# Allegro board 8880F5-0823_2_1.brd (continued)
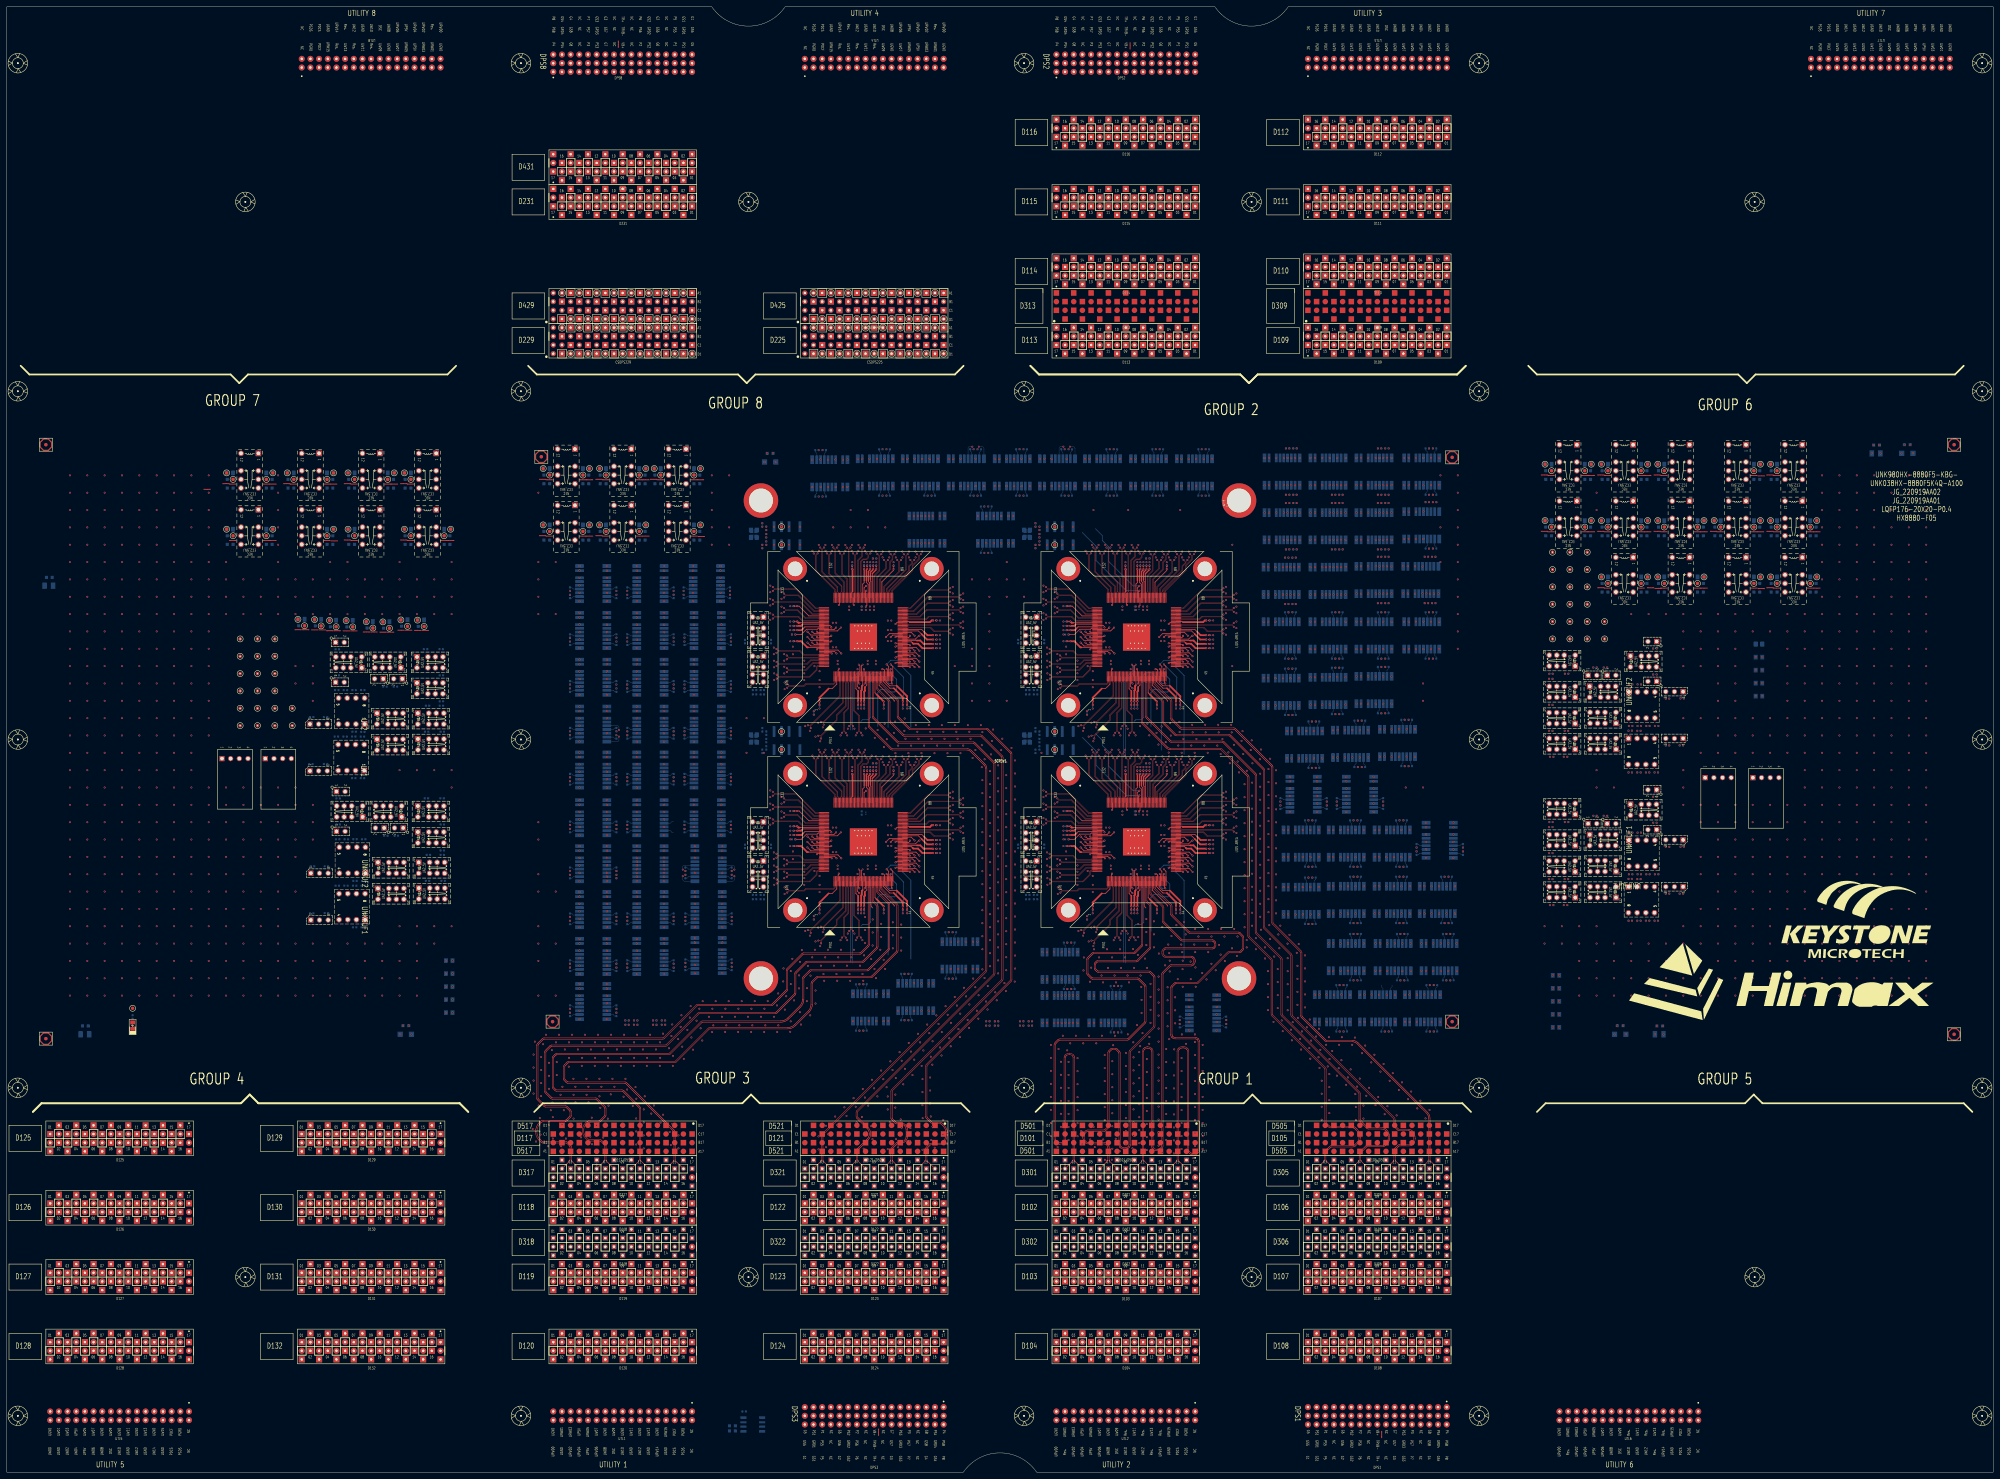
[diagram p0: board, top side]
## Placement (name value [footprint] x y rotation side) (continued)
FD8  -  [FD_040_V2]  156.51 297.46 180 bottom
FD9  -  [FD_040_V2]  570.23 128.27 180 bottom
FD10  -  [FD_040_V2]  570.23 300.99 0 top
FD11  -  [FD_040_V2]  570.23 300.99 180 bottom
FD12  -  [FD_040_V2]  11.43 300.99 0 top
FD13  -  [FD_040_V2]  11.43 300.99 180 bottom
FD14  -  [FD_040_V2]  11.43 127 0 top
FD15  -  [FD_040_V2]  11.43 127 180 bottom
FD16  -  [FD_040_V2]  570.23 128.27 0 top
GND1  TP01  [TP_040_T]  173.57 294 0 top
GND2  TP01  [TP_040_T]  187.11 294 180 top
GND3  TP01  [TP_040_T]  116.42 292.74 0 top
GND4  TP01  [TP_040_T]  157.06 294 0 top
GND5  TP01  [TP_040_T]  170.6 294 180 top
GND6  TP01  [TP_040_T]  173.57 277.5 0 top
GND7  TP01  [TP_040_T]  203.11 294 180 top
GND8  TP01  [TP_040_T]  189.58 294 0 top
GND9  TP01  [TP_040_T]  170.6 277.5 180 top
GND10  TP01  [TP_040_T]  99.36 249.46 0 top
GND11  TP01  [TP_040_T]  94.49 249.52 0 top
GND12  TP01  [TP_040_T]  203.11 277.5 180 top
GND13  TP01  [TP_040_T]  187.11 277.5 180 top
GND14  TP01  [TP_040_T]  157.06 277.5 0 top
HX8880-F05  REF-CODE-CHIP  [CHIP_CODE]  559.05 279.65 0 top
J1  HDR-2X1-M  [JP_2P_100]  110.24 232.41 270 bottom
J2  HDR-3X1-M  [JP_3P_100]  88.76 205.43 90 bottom
J3  HDR-3X1-M  [JP_3P_100]  88.76 219.15 90 bottom
J4  HDR-2X1-M  [JP_2P_100]  96.27 231.39 90 bottom
J5  HDR-2X1-M  [JP_2P_100]  96.27 243.08 90 bottom
JG_220919AA01  REF-CODE-SOCKET  [SOCKET_CODE]  559.05 284.73 0 top
JG_220919AA02  REF-CODE-SOCKET  [SOCKET_CODE]  559.05 287.27 0 top
K1  G6K-2F-RF-T-5V-SPECIAL  [RL_G6K2FRT_8P_5V_GR]  171.7 219.2 270 bottom
K2  G6K-2F-RF-T-5V-SPECIAL  [RL_G6K2FRT_8P_5V_GR]  205.23 232.92 270 bottom
K3  G6K-2F-RF-T-5V-SPECIAL  [RL_G6K2FRT_8P_5V_GR]  294.39 292.86 0 bottom
K4  G6K-2F-RF-T-5V-SPECIAL  [RL_G6K2FRT_8P_5V_GR]  307.59 292.86 0 bottom
K5  G6K-2F-RF-T-5V-SPECIAL  [RL_G6K2FRT_8P_5V_GR]  347.73 292.86 0 bottom
K6  G6K-2F-RF-T-5V-SPECIAL  [RL_G6K2FRT_8P_5V_GR]  334.26 292.86 0 bottom
K7  G6K-2F-RF-T-5V-SPECIAL  [RL_G6K2FRT_8P_5V_GR]  320.8 292.86 0 bottom
K8  G6K-2F-RF-T-5V-SPECIAL  [RL_G6K2FRT_8P_5V_GR]  267.46 292.86 0 bottom
K9  UA2-5NJ-A-V3  [RL_NECUA2_5V_V3]  219.96 235.46 90 bottom
K10  UA2-5NJ-A-V3  [RL_NECUA2_5V_V3]  111.76 237.24 0 bottom
K11  G6K-2F-RF-T-5V-SPECIAL  [RL_G6K2FRT_8P_5V_GR]  289.56 276.1 180 bottom
K12  UA2-5NJ-A-V3  [RL_NECUA2_5V_V3]  219.96 246.89 90 bottom
K13  UA2-5NJ-A-V3  [RL_NECUA2_5V_V3]  123.7 229.62 180 bottom
K14  UA2-5NJ-A-V3  [RL_NECUA2_5V_V3]  112.01 220.73 180 bottom
K15  UA2-5NJ-A-V3  [RL_NECUA2_5V_V3]  123.99 213.19 180 bottom
K16  G6K-2F-RF-T-5V-SPECIAL  [RL_G6K2FRT_8P_5V_GR]  241.05 292.61 180 bottom
K17  G6K-2F-RF-T-5V-SPECIAL  [RL_G6K2FRT_8P_5V_GR]  254.25 292.86 0 bottom
K18  UB2-5NU-B  [RL_NECUB2_5V]  228.45 274.32 0 bottom
K19  UA2-5NJ-A-V3  [RL_NECUA2_5V_V3]  112.01 213.11 180 bottom
K20  UA2-5NJ-A-V3  [RL_NECUA2_5V_V3]  123.95 220.73 180 bottom
K21  G6K-2F-RF-T-5V-SPECIAL  [RL_G6K2FRT_8P_5V_GR]  280.92 292.86 0 bottom
K22  G6K-2F-RF-T-5V-SPECIAL  [RL_G6K2FRT_8P_5V_GR]  205.23 246.63 270 bottom
K23  G6K-2F-RF-T-5V-SPECIAL  [RL_G6K2FRT_8P_5V_GR]  188.47 232.92 270 bottom
K24  G6K-2F-RF-T-5V-SPECIAL  [RL_G6K2FRT_8P_5V_GR]  171.7 232.92 270 bottom
K25  G6K-2F-RF-T-5V-SPECIAL  [RL_G6K2FRT_8P_5V_GR]  204.98 260.35 270 bottom
K26  G6K-2F-RF-T-5V-SPECIAL  [RL_G6K2FRT_8P_5V_GR]  188.47 246.63 270 bottom
K27  G6K-2F-RF-T-5V-SPECIAL  [RL_G6K2FRT_8P_5V_GR]  171.7 246.63 270 bottom
K28  UA2-5NJ-A-V3  [RL_NECUA2_5V_V3]  100.33 237.24 0 bottom
K29  G6K-2F-RF-T-5V-SPECIAL  [RL_G6K2FRT_8P_5V_GR]  171.7 260.35 270 bottom
K30  G6K-2F-RF-T-5V-SPECIAL  [RL_G6K2FRT_8P_5V_GR]  188.47 260.35 270 bottom
K31  EC2-5NJ-A  [RL_NECEC2_10P_5V]  196.34 276.86 90 bottom
K33  NC/UA2-5NJ-A-V3  [RL_NECUA2_5V_V3]  123.7 237.24 180 bottom
K34  EC2-5NJ-A  [RL_NECEC2_10P_5V]  180.34 293.37 90 bottom
K36  EC2-5NJ-A  [RL_NECEC2_10P_5V]  123.19 292.1 90 bottom
K37  EC2-5NJ-A  [RL_NECEC2_10P_5V]  163.83 293.37 90 bottom
K39  EC2-5NJ-A  [RL_NECEC2_10P_5V]  180.34 276.86 90 bottom
K40  EC2-5NJ-A  [RL_NECEC2_10P_5V]  196.34 293.37 90 bottom
K42  EC2-5NJ-A  [RL_NECEC2_10P_5V]  163.83 276.86 90 bottom
K43  G6K-2F-RF-T-5V-SPECIAL  [RL_G6K2FRT_8P_5V_GR]  269.49 276.1 180 bottom
LD902  LDG-2-S8  [LED_0805]  36.83 130.81 90 top
LOGO1  -  [LOGO_KT_KSMT]  538.48 154.94 0 top
LOGO2  LOGO_HX_Himax  [LOGO_HX_HIMAX]  518.16 138.43 0 top
LQFP176-20X20-P0.4  REF-CODE-CHIP  [CHIP_CODE]  559.05 282.19 0 top
NOREF  -  []  238.3 288.61 0 top
NOREF#2  -  []  167.7 138.47 90 top
NOREF#3  -  []  319.15 288.86 0 top
NOREF#4  -  []  208.98 257.6 90 top
NOREF#5  -  []  249.15 296.86 0 top
NOREF#6  -  []  300.36 177.06 0 top
NOREF#7  -  []  382.82 163.39 0 top
NOREF#8  -  []  217.41 213.24 0 top
NOREF#9  -  []  167.7 151.68 90 top
NOREF#10  -  []  263.85 273.37 90 top
NOREF#11  -  []  217.83 174.63 90 top
NOREF#12  -  []  251.54 192.73 90 top
NOREF#13  -  []  418.12 241.11 0 top
NOREF#14  -  []  385.19 249.11 0 top
NOREF#15  -  []  376.23 209.11 0 top
NOREF#16  -  []  309.21 193.37 0 top
NOREF#17  -  []  239.33 176.03 0 top
NOREF#18  -  []  272.24 184.86 90 top
NOREF#19  -  []  331.05 264.65 90 top
NOREF#20  -  []  304.61 144.34 0 top
NOREF#21  -  []  201.66 227.17 90 top
NOREF#22  -  []  184.47 242.78 90 top
NOREF#23  -  []  200.98 260.9 90 top
NOREF#24  -  []  391.8 209.36 0 top
NOREF#25  -  []  262.36 296.86 0 top
NOREF#26  -  []  253.53 140.14 0 top
NOREF#27  -  []  369.38 257.11 0 top
NOREF#28  -  []  224.65 271.67 0 top
NOREF#29  -  []  96.58 195.15 0 top
NOREF#30  -  []  175.7 243.88 90 top
NOREF#31  -  []  106.76 222.88 0 top
NOREF#32  -  []  278.6 147.38 0 top
NOREF#33  -  []  301.56 182.89 0 top
NOREF#34  -  []  396.55 273.11 0 top
NOREF#35  -  []  342.04 164.72 0 top
NOREF#36  -  []  331.06 225.04 90 top
NOREF#37  -  []  394.66 226.38 90 top
NOREF#38  -  []  382.82 180.15 0 top
NOREF#39  -  []  381.74 281.11 0 top
NOREF#40  -  []  221.56 250.49 0 top
NOREF#41  -  []  246.63 142.04 0 top
NOREF#42  -  []  177.33 160.4 90 top
NOREF#43  -  []  321.82 167.13 90 top
NOREF#44  -  []  375.22 180.15 0 top
NOREF#45  -  []  412.62 289.12 0 top
NOREF#46  -  []  461.96 174.55 0 top
NOREF#47  -  []  352.55 243.91 0 top
NOREF#48  -  []  377.23 257.16 90 top
NOREF#49  -  []  384.59 179.6 90 top
NOREF#50  -  []  373.68 265.11 0 top
NOREF#51  -  []  272.25 249.82 0 top
NOREF#52  -  []  252.51 264.35 90 top
NOREF#53  -  []  319.33 176.03 0 top
NOREF#54  -  []  118.7 195.7 0 top
NOREF#55  -  []  352.25 244.23 0 top
NOREF#56  -  []  105.58 234.24 90 top
NOREF#57  -  []  22.16 130.26 90 top
NOREF#58  -  []  184.47 176.66 90 top
NOREF#59  -  []  343.83 171.63 90 top
NOREF#60  -  []  118.33 271.33 90 top
NOREF#61  -  []  330.73 205.56 90 top
NOREF#62  -  []  351.34 182.64 0 top
NOREF#63  -  []  184.47 219.75 90 top
NOREF#64  -  []  108.27 178.64 0 top
NOREF#65  -  []  406.52 131.89 90 top
NOREF#66  -  []  192.47 195.52 90 top
NOREF#67  -  []  313.22 288.41 90 top
NOREF#68  -  []  209.23 189.02 90 top
NOREF#69  -  []  201.23 215.35 90 top
NOREF#70  -  []  392.47 240.66 90 top
NOREF#71  -  []  390.53 188.15 0 top
NOREF#72  -  []  177.33 255.9 90 top
NOREF#73  -  []  326.43 288.31 90 top
NOREF#74  -  []  354.27 131.87 90 top
NOREF#75  -  []  310.73 249.2 0 top
NOREF#76  -  []  337.09 164.74 90 top
NOREF#77  -  []  222.11 192.14 0 top
NOREF#78  -  []  247.57 204.65 90 top
NOREF#79  -  []  230.73 193.69 0 top
NOREF#80  -  []  201.23 241.43 0 top
NOREF#81  -  []  270.29 135.24 90 top
NOREF#82  -  []  263.31 224.74 0 top
NOREF#83  -  []  201.49 173.11 90 top
NOREF#84  -  []  167.7 219.75 90 top
NOREF#85  -  []  337.9 246.99 0 top
NOREF#86  -  []  177.33 242.18 90 top
NOREF#87  -  []  385.32 178.25 90 top
NOREF#88  -  []  314.71 142.44 90 top
NOREF#89  -  []  260.55 136.46 90 top
NOREF#90  -  []  271.04 241.69 0 top
NOREF#91  -  []  366.88 255.21 0 top
NOREF#92  -  []  342.68 164.74 90 top
NOREF#93  -  []  343.98 288.86 0 top
NOREF#94  -  []  339.89 288.31 90 top
NOREF#95  -  []  456.04 179.06 0 top
NOREF#96  -  []  343.63 163.82 90 top
NOREF#97  -  []  118.7 190.55 90 top
NOREF#98  -  []  247.25 205.55 0 top
NOREF#99  -  []  298.13 214.06 0 top
NOREF#100  -  []  165.8 226.57 0 top
NOREF#101  -  []  450.03 191.31 0 top
NOREF#102  -  []  199.59 243.9 90 top
NOREF#103  -  []  417.2 163.64 0 top
NOREF#104  -  []  201.23 233.47 90 top
NOREF#105  -  []  396.55 241.11 0 top
NOREF#106  -  []  471.21 211.76 0 top
NOREF#107  -  []  375.73 196.98 90 top
NOREF#108  -  []  167.7 134.07 90 top
NOREF#109  -  []  286.55 288.31 90 top
NOREF#110  -  []  381.74 232.85 0 top
NOREF#111  -  []  118.7 188.08 0 top
NOREF#112  -  []  397.8 146.43 90 top
NOREF#113  -  []  230.41 248.88 90 top
NOREF#114  -  []  459.28 236.14 0 top
NOREF#115  -  []  248.21 132.69 90 top
NOREF#116  -  []  230.43 247.61 0 top
NOREF#117  -  []  168.13 132.17 90 top
NOREF#118  -  []  166.06 203.01 90 top
NOREF#119  -  []  121.9 238.84 0 top
NOREF#120  -  []  175.7 230.17 90 top
NOREF#121  -  []  175.7 216.45 90 top
NOREF#122  -  []  303.15 271.32 90 top
NOREF#123  -  []  264.29 280.1 0 top
NOREF#124  -  []  339.46 288.86 90 top
NOREF#125  -  []  93.76 271.33 90 top
NOREF#126  -  []  346.27 129.42 90 top
NOREF#127  -  []  155.57 275.14 90 top
NOREF#128  -  []  481.96 276.41 90 top
NOREF#129  -  []  328.96 224.74 0 top
NOREF#130  -  []  392.73 171.64 0 top
NOREF#131  -  []  373.93 281.11 0 top
NOREF#132  -  []  230.43 193.37 0 top
NOREF#133  -  []  272.25 189.18 90 top
NOREF#134  -  []  460.93 166.93 90 top
NOREF#135  -  []  184.89 159.1 90 top
NOREF#136  -  []  167.7 186.57 90 top
NOREF#137  -  []  124.35 195.15 0 top
NOREF#138  -  []  182.82 189.04 90 top
NOREF#139  -  []  309.51 193.69 0 top
NOREF#140  -  []  396.03 180.15 0 top
NOREF#141  -  []  167.7 176.66 90 top
NOREF#142  -  []  459.28 211.76 90 top
NOREF#143  -  []  407.77 255.47 0 top
NOREF#144  -  []  511.59 257.36 90 top
NOREF#145  -  []  451.68 214.96 0 top
NOREF#146  -  []  384.59 179.7 90 top
NOREF#147  -  []  310.43 189.52 0 top
NOREF#148  -  []  248.33 247.93 0 top
NOREF#149  -  []  273.59 272.15 90 top
NOREF#150  -  []  343.31 164.72 0 top
NOREF#151  -  []  371.73 281.11 0 top
NOREF#152  -  []  175.7 150.58 90 top
NOREF#153  -  []  369.38 257.11 0 top
NOREF#154  -  []  465.81 214.96 0 top
NOREF#155  -  []  327.25 205.55 0 top
NOREF#156  -  []  471.21 219.38 0 top
NOREF#157  -  []  375.22 163.39 0 top
NOREF#158  -  []  248.33 187.93 0 top
NOREF#159  -  []  390.34 192.28 90 top
NOREF#160  -  []  118.96 179.19 0 top
NOREF#161  -  []  231.15 159.63 90 top
NOREF#162  -  []  392.73 154.88 0 top
NOREF#163  -  []  184.47 231.27 90 top
NOREF#164  -  []  127.55 184.33 90 top
NOREF#165  -  []  318.45 197.01 0 top
NOREF#166  -  []  239.33 176.03 90 top
NOREF#167  -  []  251.06 225.04 90 top
NOREF#168  -  []  332.83 204.65 90 top
NOREF#169  -  []  209.49 155.13 90 top
NOREF#170  -  []  309.51 187.93 0 top
NOREF#171  -  []  199.33 257.62 90 top
NOREF#172  -  []  247.25 264.35 90 top
NOREF#173  -  []  331.38 164.74 90 top
NOREF#174  -  []  252.43 132.14 0 top
NOREF#175  -  []  310.43 249.52 0 top
NOREF#176  -  []  406.19 188.15 0 top
NOREF#177  -  []  473.79 191.06 90 top
NOREF#178  -  []  167.7 149.48 90 top
NOREF#179  -  []  425.7 144.98 90 top
NOREF#180  -  []  253.4 205.55 0 top
NOREF#181  -  []  209.59 160.9 90 top
NOREF#182  -  []  383.09 289.12 0 top
NOREF#183  -  []  546.67 300.44 90 top
NOREF#184  -  []  351.34 249.5 0 top
NOREF#185  -  []  221.56 182.89 0 top
NOREF#186  -  []  199.33 212.85 0 top
NOREF#187  -  []  385.61 208.66 90 top
NOREF#188  -  []  201.23 242.78 90 top
NOREF#189  -  []  182.57 171.96 0 top
NOREF#190  -  []  263.2 172.26 90 top
NOREF#191  -  []  352.25 244.86 90 top
NOREF#192  -  []  465.81 222.58 0 top
NOREF#193  -  []  375.73 193.43 90 top
NOREF#194  -  []  272.25 189.82 0 top
NOREF#195  -  []  167.7 214 90 top
NOREF#196  -  []  250.74 224.72 0 top
NOREF#197  -  []  377.48 289.17 90 top
NOREF#198  -  []  124.1 238.84 0 top
NOREF#199  -  []  254.29 264.35 90 top
NOREF#200  -  []  184.89 254.6 90 top
NOREF#201  -  []  242.23 233.13 90 top
NOREF#202  -  []  414.82 281.37 0 top
NOREF#203  -  []  472.86 217.98 90 top
NOREF#204  -  []  229.51 249.2 0 top
NOREF#205  -  []  106.18 160.58 90 top
NOREF#206  -  []  409.49 163.64 0 top
NOREF#207  -  []  330.49 164.74 90 top
NOREF#208  -  []  247.57 205.86 90 top
NOREF#209  -  []  351.04 182.96 0 top
NOREF#210  -  []  262.04 164.72 0 top
NOREF#211  -  []  331.22 193.63 0 top
NOREF#212  -  []  201.21 273.5 90 top
NOREF#213  -  []  166.06 148.4 90 top
NOREF#214  -  []  317.57 209.63 90 top
NOREF#215  -  []  192.47 218.65 90 top
NOREF#216  -  []  309.21 246.34 0 top
NOREF#217  -  []  250.17 163.82 90 top
NOREF#218  -  []  229.51 193.69 0 top
NOREF#219  -  []  419.9 288.67 90 top
NOREF#220  -  []  199.33 212.85 90 top
NOREF#221  -  []  317.66 164.72 0 top
NOREF#222  -  []  482.64 192.46 90 top
NOREF#223  -  []  310.73 189.2 0 top
NOREF#224  -  []  240.83 254.63 0 top
NOREF#225  -  []  250.18 182.88 0 top
NOREF#226  -  []  331.62 204.35 90 top
NOREF#227  -  []  342.36 165.04 90 top
NOREF#228  -  []  328.33 247.93 0 top
NOREF#229  -  []  230.41 187.61 90 top
NOREF#230  -  []  283.25 147.43 90 top
NOREF#231  -  []  412.62 281.37 0 top
NOREF#232  -  []  249.28 223.82 90 top
NOREF#233  -  []  271.56 288.91 90 top
NOREF#234  -  []  415.61 183.52 90 top
NOREF#235  -  []  124.1 231.22 0 top
NOREF#236  -  []  384.36 131.89 0 top
NOREF#237  -  []  251.62 205.56 0 top
NOREF#238  -  []  216.96 240.71 0 top
NOREF#239  -  []  272.25 181.69 0 top
NOREF#240  -  []  415.6 146.88 0 top
NOREF#241  -  []  251.06 165.04 90 top
NOREF#242  -  []  259.65 204.65 90 top
NOREF#243  -  []  201.49 146.18 90 top
NOREF#244  -  []  184.47 258.7 90 top
NOREF#245  -  []  167.7 214 0 top
NOREF#246  -  []  201.49 174.46 90 top
NOREF#247  -  []  409.99 146.93 90 top
NOREF#248  -  []  306.85 271.67 0 top
NOREF#249  -  []  299.59 288.86 90 top
NOREF#250  -  []  331.05 265.86 90 top
NOREF#251  -  []  397.8 179.7 90 top
NOREF#252  -  []  266.74 143.19 0 top
NOREF#253  -  []  305.94 288.86 0 top
NOREF#254  -  []  450.03 166.93 0 top
NOREF#255  -  []  184.89 227.17 90 top
NOREF#256  -  []  401.87 139.89 0 top
NOREF#257  -  []  254.61 264.65 90 top
NOREF#258  -  []  412.24 144.98 90 top
NOREF#259  -  []  331.94 265.86 90 top
NOREF#260  -  []  381.2 258.38 90 top
NOREF#261  -  []  306.27 216.63 90 top
NOREF#262  -  []  338.11 288.86 0 top
NOREF#263  -  []  220.36 188.49 0 top
NOREF#264  -  []  247.89 204.35 90 top
NOREF#265  -  []  230.41 188.88 90 top
NOREF#266  -  []  168.13 145.38 90 top
NOREF#267  -  []  256.45 164.72 0 top
NOREF#268  -  []  418.37 241.16 90 top
NOREF#269  -  []  423.61 182.42 90 top
NOREF#270  -  []  391.8 217.36 0 top
NOREF#271  -  []  380.59 255.21 0 top
NOREF#272  -  []  378.58 289.12 90 top
NOREF#273  -  []  404.15 241.11 0 top
NOREF#274  -  []  184.47 227.72 90 top
NOREF#275  -  []  230.43 246.34 0 top
NOREF#276  -  []  451.68 195.91 0 top
NOREF#277  -  []  107.02 174.04 90 top
NOREF#278  -  []  66.26 271.33 90 top
NOREF#279  -  []  317.05 288.86 0 top
NOREF#280  -  []  352.25 241.05 90 top
NOREF#281  -  []  332.51 205.56 0 top
NOREF#282  -  []  210.86 214.75 90 top
NOREF#283  -  []  229.21 253.37 0 top
NOREF#284  -  []  390.53 146.88 0 top
NOREF#285  -  []  112.16 238.84 0 top
NOREF#286  -  []  528.1 257.36 90 top
NOREF#287  -  []  230.43 248.88 90 top
NOREF#288  -  []  237.98 163.82 90 top
NOREF#289  -  []  297.41 213.24 90 top
NOREF#290  -  []  209.23 246.08 90 top
NOREF#291  -  []  252.51 205.55 0 top
NOREF#292  -  []  172.08 291.65 90 top
NOREF#293  -  []  342.04 224.72 0 top
NOREF#294  -  []  408.63 274.64 90 top
NOREF#295  -  []  352.24 244.86 90 top
NOREF#296  -  []  475.04 195.66 0 top
NOREF#297  -  []  192.47 250.38 90 top
NOREF#298  -  []  284.79 272.65 90 top
NOREF#299  -  []  352.93 288.86 90 top
NOREF#300  -  []  272.55 243.91 0 top
NOREF#301  -  []  380.59 271.21 0 top
NOREF#302  -  []  353.35 288.31 90 top
NOREF#303  -  []  273.95 155.38 0 top
NOREF#304  -  []  351.34 185.18 0 top
NOREF#305  -  []  453.88 239.34 0 top
NOREF#306  -  []  320.94 151.63 90 top
NOREF#307  -  []  397.8 179.6 90 top
NOREF#308  -  []  315.7 296.86 0 top
NOREF#309  -  []  332.51 205.55 0 top
NOREF#310  -  []  479.44 195.66 0 top
NOREF#311  -  []  199.59 230.19 90 top
NOREF#312  -  []  283.21 282 0 top
NOREF#313  -  []  273.5 148.65 90 top
NOREF#314  -  []  248.96 224.74 0 top
NOREF#315  -  []  304.61 131.64 0 top
NOREF#316  -  []  295.96 237.06 0 top
NOREF#317  -  []  327.57 264.65 90 top
NOREF#318  -  []  403.41 209.61 0 top
NOREF#319  -  []  116.27 171.02 0 top
NOREF#320  -  []  208.98 264.1 90 top
NOREF#321  -  []  192.57 242.68 90 top
NOREF#322  -  []  386.33 207.21 90 top
NOREF#323  -  []  258.35 288.91 90 top
NOREF#324  -  []  402.06 217.61 0 top
NOREF#325  -  []  234.7 298.51 0 top
NOREF#326  -  []  184.89 172.56 90 top
NOREF#327  -  []  379.52 171.39 0 top
NOREF#328  -  []  175.7 195.52 90 top
NOREF#329  -  []  417.87 257.37 0 top
NOREF#330  -  []  251.62 265.55 0 top
NOREF#331  -  []  329.28 163.82 90 top
NOREF#332  -  []  327.27 131.64 90 top
NOREF#333  -  []  322.62 139.64 0 top
NOREF#334  -  []  411.99 178.25 90 top
NOREF#335  -  []  465.31 230.2 0 top
NOREF#336  -  []  105.93 204.27 90 top
NOREF#337  -  []  334.29 205.56 90 top
NOREF#338  -  []  404.4 225.16 90 top
NOREF#339  -  []  106.76 217.73 90 top
NOREF#340  -  []  246.67 288.16 90 top
NOREF#341  -  []  352.25 242.96 0 top
NOREF#342  -  []  317.66 224.74 0 top
NOREF#343  -  []  271.34 242.64 0 top
NOREF#344  -  []  259.33 264.35 90 top
NOREF#345  -  []  279.27 288.86 0 top
NOREF#346  -  []  184.47 200.54 0 top
NOREF#347  -  []  209.23 191.22 90 top
NOREF#348  -  []  409.74 163.69 90 top
NOREF#349  -  []  192.57 201.79 90 top
NOREF#350  -  []  247.57 264.65 90 top
NOREF#351  -  []  272.24 249.18 90 top
NOREF#352  -  []  251.94 205.86 90 top
NOREF#353  -  []  201.23 227.72 90 top
NOREF#354  -  []  251.62 205.55 0 top
NOREF#355  -  []  405.51 217.61 0 top
NOREF#356  -  []  399.39 161.74 0 top
NOREF#357  -  []  410.27 257.37 0 top
NOREF#358  -  []  184.47 241.43 0 top
NOREF#359  -  []  465.45 292.92 90 top
NOREF#360  -  []  215.96 188.49 0 top
NOREF#361  -  []  267.84 280.1 0 top
NOREF#362  -  []  310.43 183.09 90 top
NOREF#363  -  []  118.7 222.88 0 top
NOREF#364  -  []  459.28 183.57 90 top
NOREF#365  -  []  473.6 162.62 90 top
NOREF#366  -  []  182.82 257.62 90 top
NOREF#367  -  []  371.73 289.12 0 top
NOREF#368  -  []  175.8 242.68 90 top
NOREF#369  -  []  383.09 224.85 0 top
NOREF#370  -  []  456.08 214.96 0 top
NOREF#371  -  []  297.71 216.09 0 top
NOREF#372  -  []  222.67 298 90 top
NOREF#373  -  []  369.38 241.11 0 top
NOREF#374  -  []  409.43 139.89 0 top
NOREF#375  -  []  343.98 288.86 0 top
NOREF#376  -  []  352.25 182.96 0 top
NOREF#377  -  []  253.72 205.86 90 top
NOREF#378  -  []  201.49 173.11 0 top
NOREF#379  -  []  473.79 239.64 0 top
NOREF#380  -  []  184.47 204.09 90 top
NOREF#381  -  []  201.23 244.98 90 top
NOREF#382  -  []  471.21 211.76 90 top
NOREF#383  -  []  237.83 197.63 0 top
NOREF#384  -  []  413.2 164.91 90 top
NOREF#385  -  []  333.4 205.56 90 top
NOREF#386  -  []  119.95 195.15 0 top
NOREF#387  -  []  412.37 265.37 0 top
NOREF#388  -  []  272.25 244.86 90 top
NOREF#389  -  []  383.73 198.08 90 top
NOREF#390  -  []  419.47 273.37 90 top
NOREF#391  -  []  201.49 178.86 90 top
NOREF#392  -  []  336.77 165.04 90 top
NOREF#393  -  []  378.75 224.15 90 top
NOREF#394  -  []  310.73 193.69 0 top
NOREF#395  -  []  332.51 205.56 90 top
NOREF#396  -  []  377.32 188.15 0 top
NOREF#397  -  []  420.15 131.34 90 top
NOREF#398  -  []  192.57 215.25 90 top
NOREF#399  -  []  306.71 131.64 0 top
NOREF#400  -  []  226.85 211.67 0 top
NOREF#401  -  []  352.24 181.05 90 top
NOREF#402  -  []  230.43 188.88 0 top
NOREF#403  -  []  310.73 187.93 0 top
NOREF#404  -  []  310.43 186.34 90 top
NOREF#405  -  []  209.33 228.97 90 top
NOREF#406  -  []  390.53 163.64 0 top
NOREF#407  -  []  392.04 289.12 90 top
NOREF#408  -  []  412.6 161.74 0 top
NOREF#409  -  []  460.93 225.6 90 top
NOREF#410  -  []  301.56 250.49 0 top
NOREF#411  -  []  479.44 239.09 0 top
NOREF#412  -  []  201.21 276.04 90 top
NOREF#413  -  []  389.7 209.36 0 top
NOREF#414  -  []  456.08 239.34 0 top
NOREF#415  -  []  470.79 128.27 0 top
NOREF#416  -  []  119.7 238.84 0 top
NOREF#417  -  []  192.47 259.8 90 top
NOREF#418  -  []  387.39 249.11 0 top
NOREF#419  -  []  165.8 144.78 90 top
NOREF#420  -  []  184.47 186.57 0 top
NOREF#421  -  []  167.7 173.11 90 top
NOREF#422  -  []  383.09 273.11 0 top
NOREF#423  -  []  468.85 259.9 90 top
NOREF#424  -  []  247.57 204.65 90 top
NOREF#425  -  []  300.74 286.96 90 top
NOREF#426  -  []  473.79 196.21 0 top
NOREF#427  -  []  201.23 229.07 90 top
NOREF#428  -  []  318.3 223.52 90 top
NOREF#429  -  []  400.54 188.15 0 top
NOREF#430  -  []  75.98 271.33 90 top
NOREF#431  -  []  192.47 182.06 90 top
NOREF#432  -  []  461.86 187.32 0 top
NOREF#433  -  []  229.21 187.61 0 top
NOREF#434  -  []  384.36 131.89 0 top
NOREF#435  -  []  175.8 256.4 90 top
NOREF#436  -  []  272.55 241.37 0 top
NOREF#437  -  []  317.83 257.63 0 top
NOREF#438  -  []  106.36 190.55 0 top
NOREF#439  -  []  383.01 139.89 0 top
NOREF#440  -  []  165.8 185.42 0 top
NOREF#441  -  []  194.09 173.86 90 top
NOREF#442  -  []  423.61 188.92 90 top
NOREF#443  -  []  277.5 155.38 0 top
NOREF#444  -  []  230.41 243.09 90 top
NOREF#445  -  []  168.13 186.02 90 top
NOREF#446  -  []  369.63 273.11 0 top
NOREF#447  -  []  230.43 188.88 90 top
NOREF#448  -  []  483.04 195.66 0 top
NOREF#449  -  []  352.24 249.18 90 top
NOREF#450  -  []  415.61 181.32 90 top
NOREF#451  -  []  242.23 233.13 0 top
NOREF#452  -  []  250.73 205.55 0 top
NOREF#453  -  []  250.23 132.14 0 top
NOREF#454  -  []  167.7 145.93 90 top
NOREF#455  -  []  215.96 248.49 0 top
NOREF#456  -  []  352.55 189.5 0 top
NOREF#457  -  []  229.05 271.67 0 top
NOREF#458  -  []  238.3 164.74 90 top
NOREF#459  -  []  343.2 232.26 90 top
NOREF#460  -  []  263.14 270.2 90 top
NOREF#461  -  []  263.63 165.04 90 top
NOREF#462  -  []  249.85 224.74 0 top
NOREF#463  -  []  342.68 224.74 90 top
NOREF#464  -  []  397.8 146.33 90 top
NOREF#465  -  []  262.36 165.04 90 top
NOREF#466  -  []  346.27 135.17 90 top
NOREF#467  -  []  250.73 265.56 90 top
NOREF#468  -  []  106.36 190.55 0 top
NOREF#469  -  []  167.7 187.92 90 top
NOREF#470  -  []  485.36 289.48 90 top
NOREF#471  -  []  415.61 179.97 90 top
NOREF#472  -  []  241.6 296.61 0 top
NOREF#473  -  []  247.25 205.56 0 top
NOREF#474  -  []  406.19 171.64 0 top
NOREF#475  -  []  399.99 181.42 90 top
NOREF#476  -  []  394.05 287.22 0 top
NOREF#477  -  []  272.55 189.5 0 top
NOREF#478  -  []  352.25 242.32 90 top
NOREF#479  -  []  322.23 233.13 0 top
NOREF#480  -  []  390.53 180.15 0 top
NOREF#481  -  []  229.51 253.69 0 top
NOREF#482  -  []  377.32 163.39 0 top
NOREF#483  -  []  295.96 188.49 0 top
NOREF#484  -  []  465.31 186.77 0 top
NOREF#485  -  []  405.51 209.61 0 top
NOREF#486  -  []  410.84 180.15 90 top
NOREF#487  -  []  351.34 183.91 0 top
NOREF#488  -  []  199.59 158.5 0 top
NOREF#489  -  []  412.88 131.89 0 top
NOREF#490  -  []  262.36 223.82 90 top
NOREF#491  -  []  473.6 206.05 90 top
NOREF#492  -  []  451.68 239.34 0 top
NOREF#493  -  []  459.28 168.33 90 top
NOREF#494  -  []  366.88 222.7 0 top
NOREF#495  -  []  319.33 183.63 90 top
NOREF#496  -  []  371.48 257.11 0 top
NOREF#497  -  []  128.21 178.64 0 top
NOREF#498  -  []  200.98 255.15 90 top
NOREF#499  -  []  383.73 202.38 90 top
NOREF#500  -  []  252.51 205.56 0 top
NOREF#501  -  []  352.25 249.18 90 top
NOREF#502  -  []  251.22 253.63 0 top
NOREF#503  -  []  334.61 264.65 90 top
NOREF#504  -  []  405.93 224.66 90 top
NOREF#505  -  []  108.27 171.02 0 top
NOREF#506  -  []  309.51 186.66 0 top
NOREF#507  -  []  374.08 195.9 90 top
NOREF#508  -  []  303.15 211.32 90 top
NOREF#509  -  []  252.83 205.86 90 top
NOREF#510  -  []  310.41 187.61 90 top
NOREF#511  -  []  257.9 186.35 90 top
NOREF#512  -  []  119.7 231.22 0 top
NOREF#513  -  []  400.34 194.68 90 top
NOREF#514  -  []  175.7 168.6 90 top
NOREF#515  -  []  415.6 146.88 0 top
NOREF#516  -  []  118.45 231.77 0 top
NOREF#517  -  []  271.34 181.37 0 top
NOREF#518  -  []  175.7 222.95 90 top
NOREF#519  -  []  167.7 206.29 90 top
NOREF#520  -  []  351.34 243.91 0 top
NOREF#521  -  []  383.09 257.11 0 top
NOREF#522  -  []  118.74 210.19 90 top
NOREF#523  -  []  339.33 265.55 0 top
NOREF#524  -  []  423.61 184.62 90 top
NOREF#525  -  []  354.08 286.96 90 top
NOREF#526  -  []  223.56 245.29 90 top
NOREF#527  -  []  423.71 181.22 90 top
NOREF#528  -  []  103.93 235.64 0 top
NOREF#529  -  []  279.27 296.86 0 top
NOREF#530  -  []  251.05 204.65 90 top
NOREF#531  -  []  385.36 194.18 90 top
NOREF#532  -  []  167.7 255.15 90 top
NOREF#533  -  []  306.83 209.63 90 top
NOREF#534  -  []  475.04 239.09 0 top
NOREF#535  -  []  263.2 232.26 90 top
NOREF#536  -  []  111.54 290.38 90 top
NOREF#537  -  []  478.57 277.31 90 top
NOREF#538  -  []  165.8 144.78 0 top
NOREF#539  -  []  277.17 288.86 0 top
NOREF#540  -  []  338.36 288.91 90 top
NOREF#541  -  []  333.4 205.56 0 top
NOREF#542  -  []  167.7 247.18 90 top
NOREF#543  -  []  182.82 175.58 90 top
NOREF#544  -  []  392.24 199.18 90 top
NOREF#545  -  []  386.53 148.15 90 top
NOREF#546  -  []  263.71 288.86 0 top
NOREF#547  -  []  271.04 181.69 0 top
NOREF#548  -  []  385.19 257.11 0 top
NOREF#549  -  []  396.55 257.37 0 top
NOREF#550  -  []  175.7 175.56 90 top
NOREF#551  -  []  201.23 227.72 0 top
NOREF#552  -  []  251.38 163.52 90 top
NOREF#553  -  []  314.33 168.13 90 top
NOREF#554  -  []  418.12 257.42 90 top
NOREF#555  -  []  405.93 240.56 90 top
NOREF#556  -  []  252.51 265.56 0 top
NOREF#557  -  []  222.11 180.71 0 top
NOREF#558  -  []  309.51 183.41 0 top
NOREF#559  -  []  392.24 199.18 90 top
NOREF#560  -  []  168.69 292.55 90 top
NOREF#561  -  []  472.86 174.55 90 top
NOREF#562  -  []  386.46 139.89 0 top
NOREF#563  -  []  199.08 254 90 top
NOREF#564  -  []  310.43 248.88 90 top
NOREF#565  -  []  252.6 296.86 0 top
NOREF#566  -  []  201.21 292.55 90 top
NOREF#567  -  []  184.47 260.9 90 top
NOREF#568  -  []  369.38 241.11 0 top
NOREF#569  -  []  250.73 264.35 90 top
NOREF#570  -  []  172.08 272.6 90 top
NOREF#571  -  []  211.11 146.93 90 top
NOREF#572  -  []  175.7 209.49 90 top
NOREF#573  -  []  271.04 189.82 0 top
NOREF#574  -  []  256.77 165.04 90 top
NOREF#575  -  []  254.29 204.35 90 top
NOREF#576  -  []  403.99 188.15 0 top
NOREF#577  -  []  118.33 273.87 90 top
NOREF#578  -  []  392.24 193.43 90 top
NOREF#579  -  []  405.93 256.92 90 top
NOREF#580  -  []  297.83 174.63 90 top
NOREF#581  -  []  463.61 222.58 0 top
NOREF#582  -  []  272.25 244.23 0 top
NOREF#583  -  []  290.64 288.86 0 top
NOREF#584  -  []  463.61 179.15 0 top
NOREF#585  -  []  259.84 133.29 90 top
NOREF#586  -  []  414.25 154.88 0 top
NOREF#587  -  []  257.09 224.74 90 top
NOREF#588  -  []  411.52 146.33 90 top
NOREF#589  -  []  400.85 249.11 0 top
NOREF#590  -  []  301.56 231.46 0 top
NOREF#591  -  []  260.83 174.63 90 top
NOREF#592  -  []  252.51 265.55 0 top
NOREF#593  -  []  271.34 249.5 0 top
NOREF#594  -  []  167.7 174.46 90 top
NOREF#595  -  []  398.65 265.37 0 top
NOREF#596  -  []  242.23 173.13 0 top
NOREF#597  -  []  296.96 180.71 0 top
NOREF#598  -  []  397.57 131.89 0 top
NOREF#599  -  []  272.25 249.18 90 top
NOREF#600  -  []  411.26 179.6 90 top
NOREF#601  -  []  262.36 225.04 90 top
NOREF#602  -  []  192.47 216.45 90 top
NOREF#603  -  []  387.39 265.11 0 top
NOREF#604  -  []  219.81 213.69 90 top
NOREF#605  -  []  314.71 129.74 90 top
NOREF#606  -  []  322.23 233.13 90 top
NOREF#607  -  []  167.7 217.55 90 top
NOREF#608  -  []  254.29 265.55 0 top
NOREF#609  -  []  228.36 262.16 45 top
NOREF#610  -  []  117.26 190.55 90 top
NOREF#611  -  []  271.34 241.37 0 top
NOREF#612  -  []  287.27 286.96 90 top
NOREF#613  -  []  201.23 247.18 90 top
NOREF#614  -  []  106.11 234.24 0 top
NOREF#615  -  []  175.7 236.67 90 top
NOREF#616  -  []  272.25 182.32 90 top
NOREF#617  -  []  124.64 171.1 0 top
NOREF#618  -  []  376.98 224.6 0 top
NOREF#619  -  []  118.7 188.08 0 top
NOREF#620  -  []  390.53 154.88 0 top
NOREF#621  -  []  253.4 204.35 90 top
NOREF#622  -  []  425.23 180.72 90 top
NOREF#623  -  []  209.33 242.68 90 top
NOREF#624  -  []  277.17 288.86 0 top
NOREF#625  -  []  338.2 186.67 0 top
NOREF#626  -  []  383.07 163.44 90 top
NOREF#627  -  []  329.6 224.74 90 top
NOREF#628  -  []  404.15 273.11 0 top
NOREF#629  -  []  383.09 241.11 0 top
NOREF#630  -  []  392.47 272.56 90 top
NOREF#631  -  []  390.69 224.85 0 top
NOREF#632  -  []  309.21 188.88 0 top
NOREF#633  -  []  247.25 205.55 0 top
NOREF#634  -  []  412.79 209.16 90 top
NOREF#635  -  []  404.4 289.17 90 top
NOREF#636  -  []  336.45 224.72 0 top
NOREF#637  -  []  422.7 163.64 0 top
NOREF#638  -  []  184.47 255.15 0 top
NOREF#639  -  []  75.98 290.38 90 top
NOREF#640  -  []  122.19 247.3 90 top
NOREF#641  -  []  184.89 213.45 90 top
NOREF#642  -  []  182.57 240.28 90 top
NOREF#643  -  []  311.15 219.63 90 top
NOREF#644  -  []  167.7 215.35 90 top
NOREF#645  -  []  337.09 224.74 90 top
NOREF#646  -  []  424.47 163.09 90 top
NOREF#647  -  []  167.7 229.07 90 top
NOREF#648  -  []  398.65 241.11 0 top
NOREF#649  -  []  327.7 131.19 90 top
NOREF#650  -  []  218.13 274.06 90 top
NOREF#651  -  []  409.17 297.12 0 top
NOREF#652  -  []  383.09 257.11 0 top
NOREF#653  -  []  369.63 289.12 0 top
NOREF#654  -  []  168.13 172.56 90 top
NOREF#655  -  []  333.4 205.55 0 top
NOREF#656  -  []  453.88 230.2 0 top
NOREF#657  -  []  388.43 163.64 0 top
NOREF#658  -  []  263.71 288.86 0 top
NOREF#659  -  []  192.47 150.58 90 top
NOREF#660  -  []  249.28 163.82 90 top
NOREF#661  -  []  331.06 165.04 90 top
NOREF#662  -  []  406.65 287.22 90 top
NOREF#663  -  []  168.69 276.04 90 top
NOREF#664  -  []  182.57 226.57 0 top
NOREF#665  -  []  396.55 289.12 0 top
NOREF#666  -  []  229.51 243.41 0 top
NOREF#667  -  []  266.74 272.1 0 top
NOREF#668  -  []  305.94 296.86 0 top
NOREF#669  -  []  465.45 290.38 90 top
NOREF#670  -  []  396.55 241.11 0 top
NOREF#671  -  []  269.94 135.19 0 top
NOREF#672  -  []  120.24 171.1 0 top
NOREF#673  -  []  390.94 241.16 90 top
NOREF#674  -  []  93.76 273.87 90 top
NOREF#675  -  []  238.3 224.74 90 top
NOREF#676  -  []  409.74 180.2 90 top
NOREF#677  -  []  251.62 265.56 0 top
NOREF#678  -  []  376.98 241.11 0 top
NOREF#679  -  []  250.73 204.35 90 top
NOREF#680  -  []  175.7 246.08 90 top
NOREF#681  -  []  209.49 168.6 90 top
NOREF#682  -  []  367.13 287.22 0 top
NOREF#683  -  []  327.7 131.09 90 top
NOREF#684  -  []  420.15 131.44 90 top
NOREF#685  -  []  167.7 151.68 90 top
NOREF#686  -  []  414.82 297.12 0 top
NOREF#687  -  []  167.7 200.54 90 top
NOREF#688  -  []  396.55 241.11 0 top
NOREF#689  -  []  118.45 231.77 0 top
NOREF#690  -  []  342.04 224.74 0 top
NOREF#691  -  []  167.7 147.28 90 top
NOREF#692  -  []  351.34 249.5 0 top
NOREF#693  -  []  449.99 174.46 0 top
NOREF#694  -  []  336.45 224.74 0 top
NOREF#695  -  []  201.49 147.53 90 top
NOREF#696  -  []  306.71 144.34 0 top
